# Altium PCB LXDsmall.PcbDoc
Units mil, origin at the board's own origin, x right, y up, seen from the top; angles counter-clockwise.
Board outline 7398.78 x 7612.56 mil, 2 copper layers (Top Layer, Bottom Layer); 71 components, 51 nets, 338 pads, 9 vias.
Unrouted connection lines stored in the file: 11.
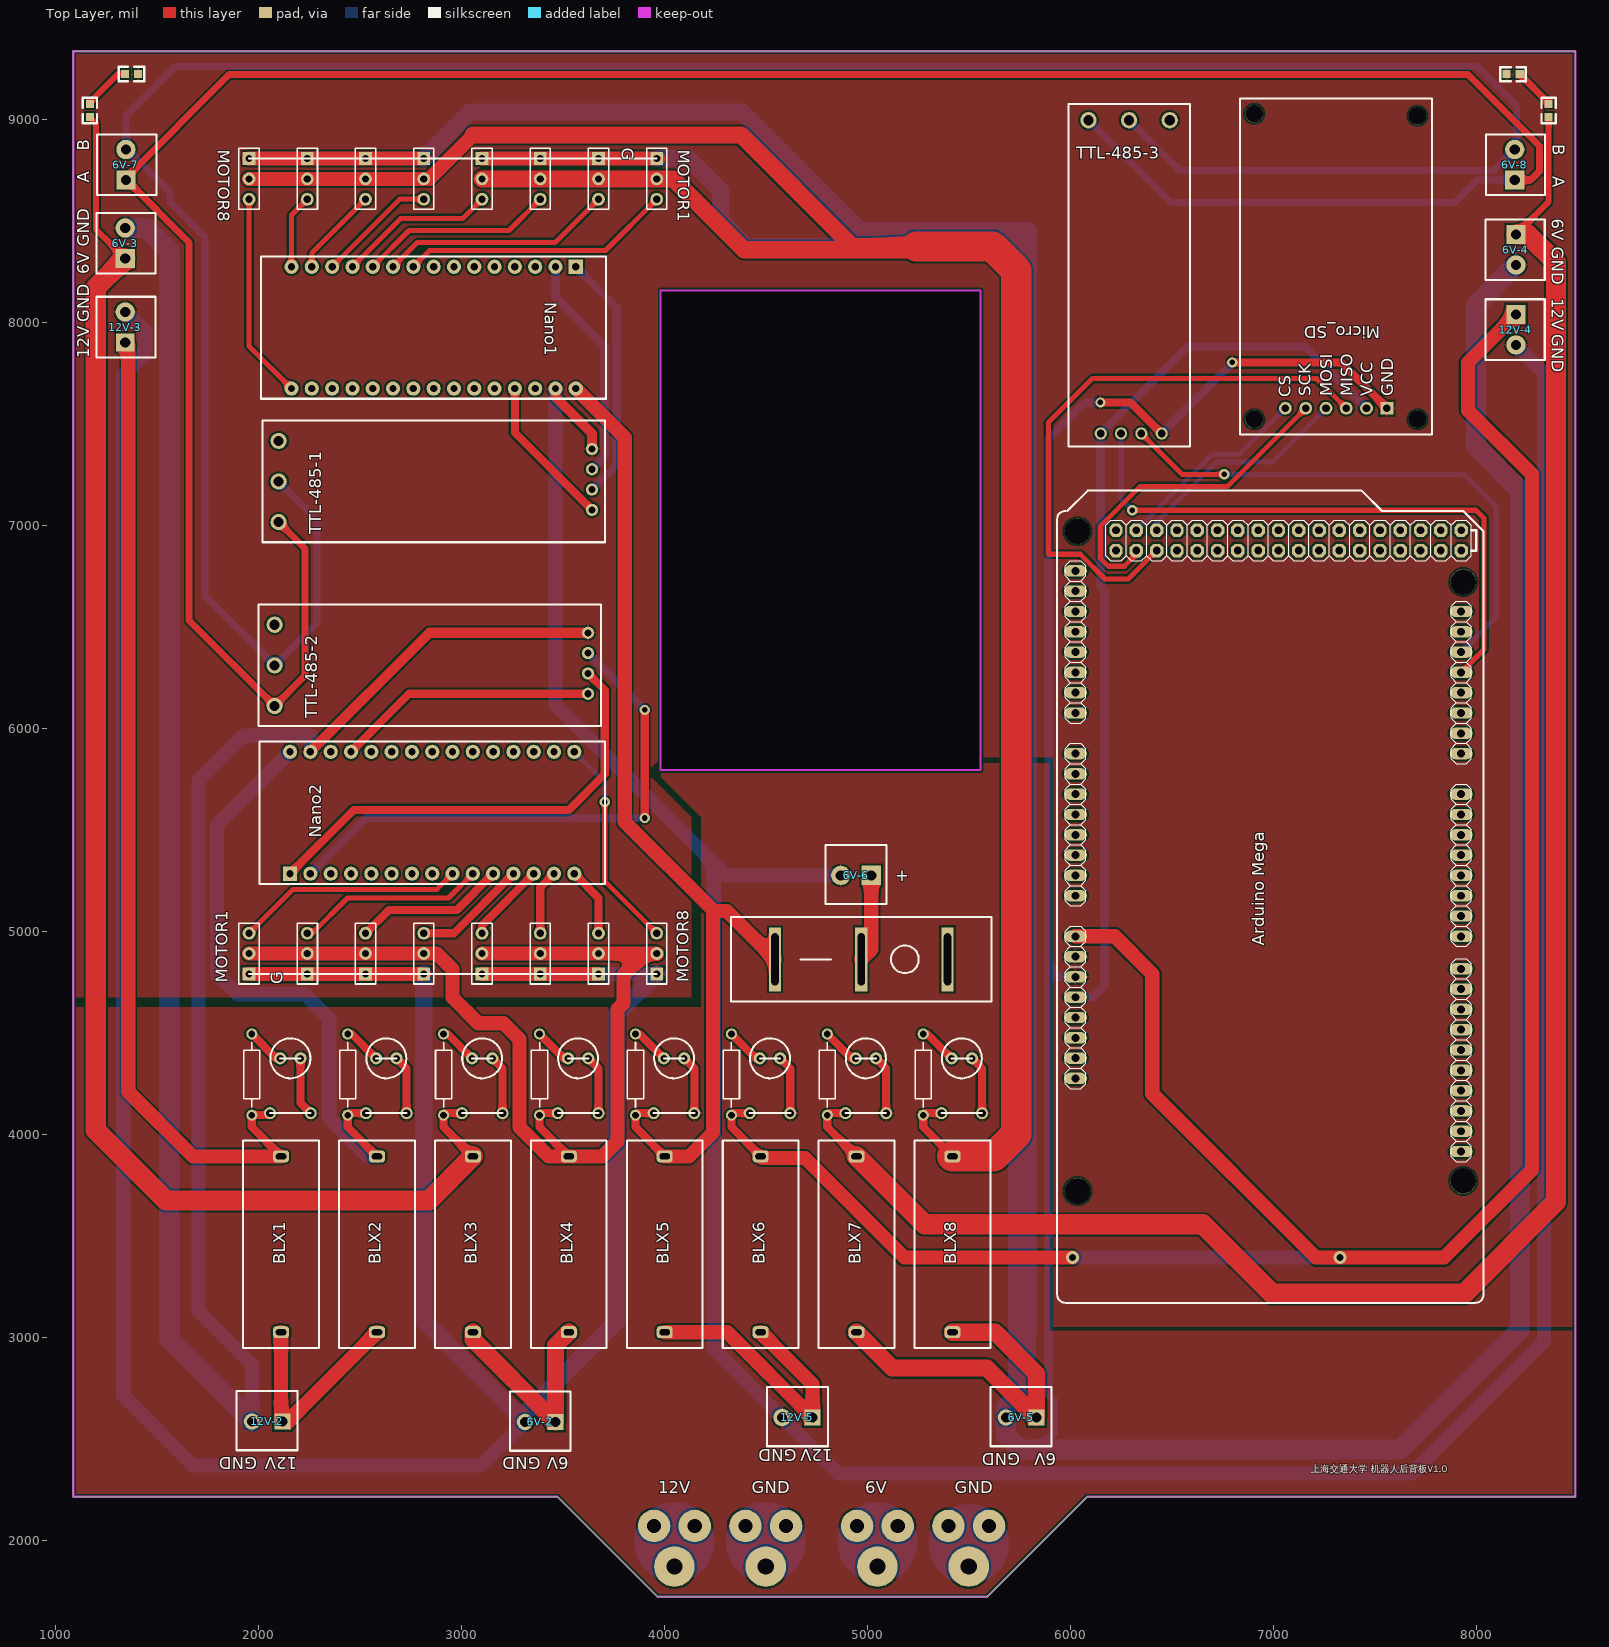
[diagram p0: Top Layer view]
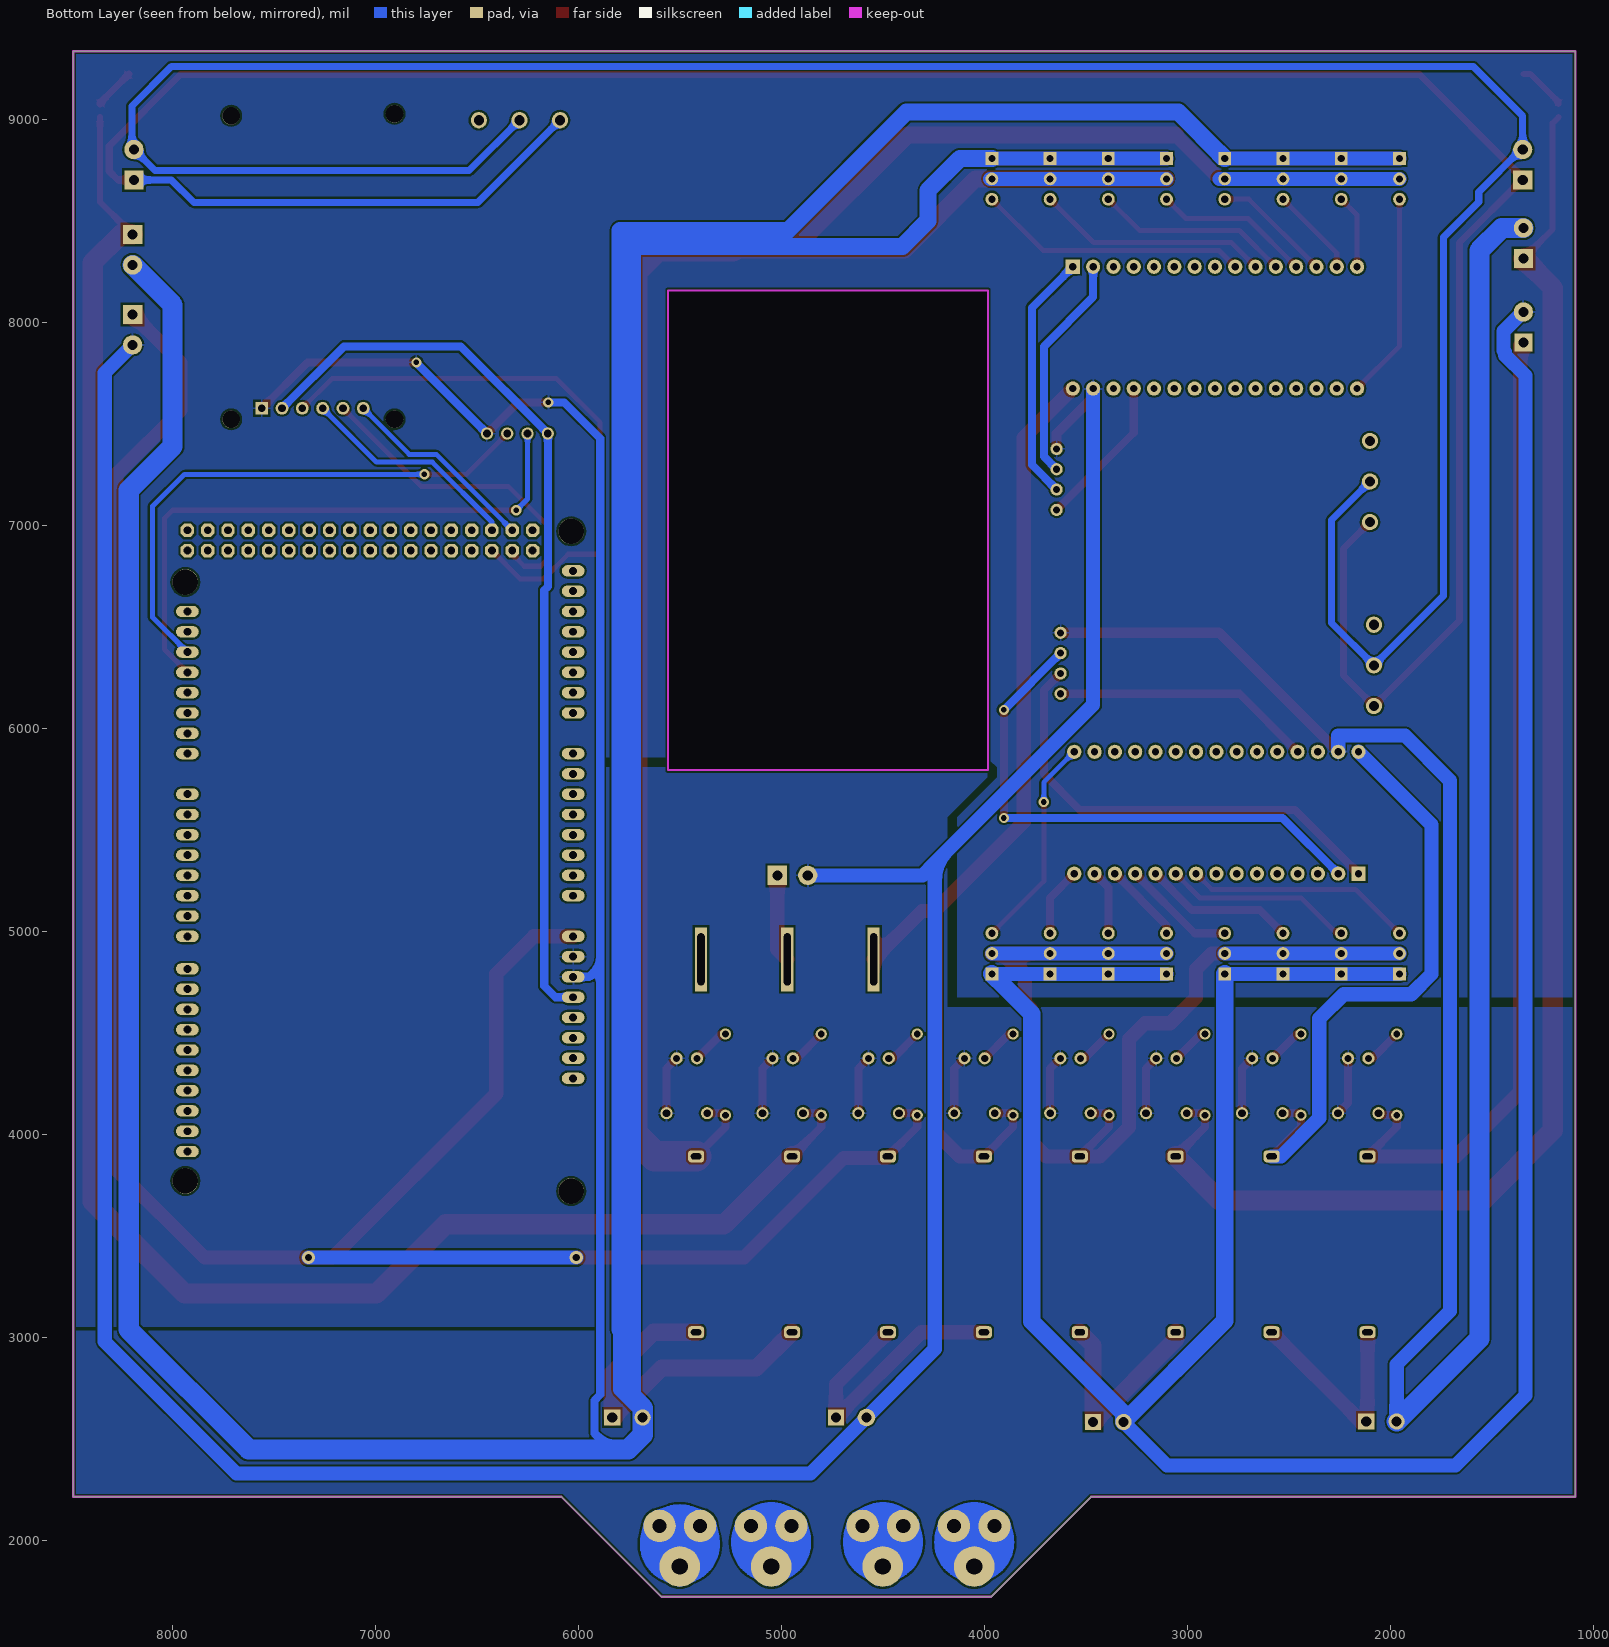
[diagram p1: Bottom Layer view, seen from below]

## Layer stack, top to bottom
Top Solder: solder mask 0.4, Solder Resist, Dk 3.5
Top Layer: signal copper 1.4
Dielectric 1: dielectric 12.6, FR-4, Dk 4.8
Bottom Layer: signal copper 1.4
Bottom Solder: solder mask 0.4, Solder Resist, Dk 3.5

## Board outline
1088.98,2215 3473.98,2215 3966.54,1722.44 5590.55,1722.44 6083.11,2215 8487.76,2215 8487.76,9335 1088.98,9335
cut-out: 3982.68,8156.69 3982.68,5794.49 5557.48,5794.49 5557.48,8156.69

## Design rules (kind name [scope] priority, off if disabled: settings)
Clearance [All] p1: gap=10
HoleSize [All] p1 off: absolutevalues=TRUE maxlimit=150 minlimit=1 maxpercent=80.000 minpercent=20.000
PolygonConnect [All] p1: connectstyle=Relief reliefconductorwidth=10 reliefentries=4 polygonreliefangle="90 Angle" airgapwidth=10
RoutingVias [All] p1: holewidth=28 width=50 viastyle="Through Hole" minholewidth=28 minwidth=50 maxholewidth=28 maxwidth=50
SilkToSilkClearance [All] p1 off: silktosilkclearance=10
SilkToSolderMaskClearance [IsPad] p1 off: minsilkscreentomaskgap=10 clearancetoexposedcopper=TRUE
SolderMaskExpansion [All] p1: expansion=4
Width [All] p1: maxlimit=150 minlimit=10 preferedwidth=10
27 further rules are at their usual default settings.

## Components (designator, comment, footprint, x,y, rotation, side; value= is the part's Value field where it differs from the comment)
6V-2 "Comment" "HEADER 1X2a"#1 3464.29,2583.39 r180 top
6V-3 "Comment" "HEADER 1X2a"#2 1344.88,8314.17 r90 top
6V-4 "Comment" "HEADER 1X2a"#2 8195.28,8432.28 r270 top
6V-5 "Comment" "HEADER 1X2a"#1 5833.07,2605.51 r180 top
6V-6 "Comment" "HEADER 1X2a"#2 5019.69,5275.59 r180 top
6V-7 "Comment" "HEADER 1X2a"#2 1348.43,8700.79 r90 top
6V-8 "Comment" "HEADER 1X2a"#2 8188.98,8700.79 r90 top
12V-2 "Comment" "HEADER 1X2a"#1 2119.21,2585.83 r180 top
12V-3 "Comment" "HEADER 1X2a"#3 1344.88,7900.79 r90 top
12V-4 "Comment" "HEADER 1X2a"#2 8195.28,8038.58 r270 top
12V-5 "Comment" "HEADER 1X2a"#4 4730.71,2605.51 r180 top
"Arduino Mega" "Comment" arduino_pin 7250.39,5105.51 r90 top
BLX1 "Comment" BLX-A 2112.6,3025.43 r90 top
BLX2 "Comment" BLX-A 2585.04,3025.43 r90 top
BLX3 "Comment" BLX-A 3057.48,3025.43 r90 top
BLX4 "Comment" BLX-A 3529.92,3025.43 r90 top
BLX5 "Comment" BLX-A 4002.36,3025.43 r90 top
BLX6 "Comment" BLX-A 4474.8,3025.43 r90 top
BLX7 "Comment" BLX-A 4947.24,3025.43 r90 top
BLX8 "Comment" BLX-A 5419.69,3025.43 r90 top
Micro_SD "Comment" Micro_SD 9435.43,10046.46 r90 top
MOTOR1 "Comment" HDR1X3 1955.12,4790.55 r90 top
MOTOR1 "Comment" HDR1X3 3962.99,8806.3 r270 top
MOTOR8 "Comment" HDR1X3 3962.99,4790.55 r90 top
MOTOR8 "Comment" HDR1X3 1955.12,8806.3 r270 top
Nano1 "Comment" NANO 3564.17,8273.35 r270 top
Nano2 "Comment" NANO 2157.09,5284.13 r90 top
TTL-485-1 "Comment" ttl-485#1 3707.09,6916.54 r180 top
TTL-485-2 "Comment" ttl-485#1 3687.4,6011.02 r180 top
TTL-485-3 "Comment" ttl-485#2 5990.55,7388.98 r90 top
? "Comment" HDR1X3 2241.96,4790.55 r90 top
? "Comment" HDR1X3 2528.8,4790.55 r90 top
? "Comment" HDR1X3 2815.64,4790.55 r90 top
? "Comment" HDR1X3 3102.47,4790.55 r90 top
? "Comment" HDR1X3 3389.31,4790.55 r90 top
? "Comment" HDR1X3 3676.15,4790.55 r90 top
? "Comment" HDR1X3 2241.96,8806.3 r270 top
? "Comment" HDR1X3 2528.8,8806.3 r270 top
? "Comment" HDR1X3 2815.64,8806.3 r270 top
? "Comment" HDR1X3 3102.47,8806.3 r270 top
? "Comment" HDR1X3 3389.31,8806.3 r270 top
? "Comment" HDR1X3 3676.15,8806.3 r270 top
? "Comment" LED_BLUE 2630.94,4374.49 r0 top
? "Comment" C_50V_10u 2530.94,4104.49 r0 top
? "Comment" AXIAL-0.4 2440.94,4294.49 r90 top
? "Comment" LED_BLUE 2158.5,4374.49 r0 top
? "Comment" C_50V_10u 2058.5,4104.49 r0 top
? "Comment" AXIAL-0.4 1968.5,4294.49 r90 top
? "Comment" LED_BLUE 3103.39,4374.49 r0 top
? "Comment" C_50V_10u 3003.39,4104.49 r0 top
? "Comment" AXIAL-0.4 2913.39,4294.49 r90 top
? "Comment" LED_BLUE 3575.83,4374.49 r0 top
? "Comment" C_50V_10u 3475.83,4104.49 r0 top
? "Comment" AXIAL-0.4 3385.83,4294.49 r90 top
? "Comment" LED_BLUE 4048.27,4374.49 r0 top
? "Comment" C_50V_10u 3948.27,4104.49 r0 top
? "Comment" AXIAL-0.4 3858.27,4294.49 r90 top
? "Comment" LED_BLUE 4520.71,4374.49 r0 top
? "Comment" C_50V_10u 4420.71,4104.49 r0 top
? "Comment" AXIAL-0.4 4330.71,4294.49 r90 top
? "Comment" LED_BLUE 4993.15,4374.49 r0 top
? "Comment" C_50V_10u 4893.15,4104.49 r0 top
? "Comment" AXIAL-0.4 4803.15,4294.49 r90 top
? "Comment" LED_BLUE 5465.59,4374.49 r0 top
? "Comment" C_50V_10u 5365.59,4104.49 r0 top
? "Comment" AXIAL-0.4 5275.59,4294.49 r90 top
? "Comment" switch 4970.47,4862.2 r0 top
? "Comment" 06030 1171.26,9015.75 r90 top
? "Comment" 06030 1348.43,9222.44 r0 top
? "Comment" 06030 8356.3,9015.75 r90 top
? "Comment" 06030 8208.66,9222.44 r180 top

## Footprints (in the part's own frame and the unit in brackets; to place one, negate y for a bottom-side part, rotate by r counter-clockwise, add the part's x,y. Pads: shape width x height; smd on the part's side, far side on the other; paste and mask are expansions set on the pad)
06030 [mil]
  rect 40x40 smd: 1(-5,0.21) 2(60,0.21)
  silkscreen extent -35,-35 90,35
arduino_pin [mil]
  round 126 hole 126: 1(-1385,1215) 1(-1335,-685) 1(1615,-685) 1(1865,1215)
  oval 56x112 hole 39: 1(-1190,-675) 1(-830,1225) 1(70,1225) 1(570,-675) 1(970,1225) 1(1470,-675) 2(-1090,-675) 2(-730,1225) 2(170,1225) 2(470,-675) 2(1070,1225) 2(1370,-675) 3(-990,-675) 3(-630,1225) 3(270,1225) 3(370,-675) 3(1170,1225) 3(1270,-675) 4(-890,-675) 4(-530,1225) 4(270,-675) 4(370,1225) 4(1170,-675) 4(1270,1225) 5(-790,-675) 5(-430,1225) 5(170,-675) 5(470,1225) 5(1070,-675) 5(1370,1225) 6(-690,-675) 6(-330,1225) 6(70,-675) 6(570,1225) 6(970,-675) 6(1470,1225) 7(-590,-675) 7(-230,1225) 7(-30,-675) 7(670,1225) 7(870,-675) 7(1570,1225) 8(-490,-675) 8(-130,1225) 8(-130,-675) 8(770,1225) 8(770,-675) 8(1670,1225) 9(-390,-675) 10(-290,-675)
  oct 66x66 hole 38: 1(1770,-675) 2(1870,-675) 3(1770,-575) 4(1870,-575) 5(1770,-475) 6(1870,-475) 7(1770,-375) 8(1870,-375) 9(1770,-275) 10(1870,-275) 11(1770,-175) 12(1870,-175) 13(1770,-75) 14(1870,-75) 15(1770,25) 16(1870,25) 17(1770,125) 18(1870,125) 19(1770,225) 20(1870,225) 21(1770,325) 22(1870,325) 23(1770,425) 24(1870,425) 25(1770,525) 26(1870,525) 27(1770,625) 28(1870,625) 29(1770,725) 30(1870,725) 31(1770,825) 32(1870,825) 33(1770,925) 34(1870,925) 35(1770,1025) 36(1870,1025)
  silkscreen extent -1935,-785 2065,1315
AXIAL-0.4 [mm] "Axial Device, Thru-Hole; 2 Leads; 0.4 in Pin Spacing"
  round 1.4 hole 0.85: 1(-5.08,0) 2(5.08,0)
  silkscreen extent -4.06,-1.02 4.06,1.02
BLX-A [mm]
  rrect50% 1.5x2 hole 0.762 slot 1.3 at 90 deg: 1(0,0) 2(22,0)
  silkscreen extent -2,-4.74 24,4.74
C_50V_10u [mil]
  round 60 hole 38: 1(0,0) 2(200,0)
  silkscreen extent 0,0 200,0
HDR1X3 [mm] "Connector; Header; 3 Position"
  rect 1.6x1.6 hole 0.9: 1(0,0)
  round 1.6 hole 0.9: 2(2.54,0) 3(5.08,0)
  silkscreen extent -1.27,-1.27 6.35,1.27
"HEADER 1X2a"#1 [mil]
  rect 80x80 hole 50: 1(0,0)
  round 80 hole 50: 2(150,0)
  silkscreen extent -75,-150 225,142
"HEADER 1X2a"#2 [mil]
  rect 95x95 hole 50 paste+0: 1(0,0)
  round 95 hole 50: 2(150,0)
  silkscreen extent -75,-150 225,142
"HEADER 1X2a"#3 [mil]
  rect 90x90 hole 50: 1(0,0)
  round 95 hole 50: 2(150,0)
  silkscreen extent -75,-150 225,142
"HEADER 1X2a"#4 [mil]
  rect 80x80 hole 50: 1(0,0)
  round 86.61 hole 50: 2(150,0)
  silkscreen extent -75,-150 225,142
LED_BLUE [mil]
  round 60 hole 35: 1(-50,0) 2(50,0)
  silkscreen extent -98,-98 98,98
Micro_SD [mm]
  rect 1.6x1.6 hole 0.965: 1(-62.738,47.65)
  round 1.6 hole 0.965: 2(-62.738,50.19) 3(-62.738,52.73) 4(-62.738,55.27) 5(-62.738,57.81) 6(-62.738,60.35)
  round 2.2 hole 2.2: 6(-64.135,43.815) 6(-64.135,64.262) 6(-26.162,43.815) 6(-25.908,64.262)
  silkscreen extent -66,42 -24,66
NANO [mil]
  rect 70x70 hole 36: 1(0,0)
  round 70 hole 36: 2(0,-100) 3(0,-200) 4(0,-300) 5(0,-400) 6(0,-500) 7(0,-600) 8(0,-700) 9(0,-800) 10(0,-900) 11(0,-1000) 12(0,-1100) 13(0,-1200) 14(0,-1300) 15(0,-1400) 16(600,-1400) 17(600,-1300) 18(600,-1200) 19(600,-1100) 20(600,-1000) 21(600,-900) 22(600,-800) 23(600,-700) 24(600,-600) 25(600,-500) 26(600,-400) 27(600,-300) 28(600,-200) 29(600,-100) 30(600,0)
  silkscreen extent -50,-1550 650,150
switch [mm]
  rect 1.524x8 hole 0.9 slot 6.5 at 90 deg: 1(-10.8,0) 2(0,0) 3(10.8,0)
  silkscreen extent -16.3,-5.3 16.3,5.3
ttl-485#1 [mil]
  round 80 hole 50: 1(1606.3,-99.21) 2(1606.3,-299.21) 3(1606.3,-499.21)
  round 60 hole 35: 4(62.99,-159.45) 5(62.99,-259.45) 6(62.99,-359.45) 7(62.99,-459.45)
  silkscreen extent 0,-599 1685,0
ttl-485#2 [mil]
  round 80 hole 50: 1(1606.3,-99.21) 2(1606.3,-299.21) 3(1606.3,-499.21)
  round 60 hole 38: 4(62.99,-159.45) 5(62.99,-259.45) 6(62.99,-359.45) 7(62.99,-459.45)
  silkscreen extent 0,-599 1685,0

## Free pads (board coordinates)
  round 160 hole 70: 2(3950,2071.26) 2(4150,2071.26) 2(4400,2071.26) 2(4600,2071.26) 2(4950,2071.26) 2(5150,2071.26) 2(5400,2071.26) 2(5600,2071.26)
  round 200 hole 80: 2(4050,1871.26) 2(4500,1871.26) 2(5050,1871.26) 2(5500,1871.26)

## Via types
v1: diameter 50, hole 28, Top Layer to Bottom Layer, 7 vias
v2: diameter 65, hole 35, Top Layer to Bottom Layer, 2 vias

## Nets (pads, with @x,y where several pads share a name; then routed paths per layer and width w, separated by ;. In a path a pad name is that pad's centre, name@x,y a point inside that pad or via, vN(x,y) a via of type N, cw(c..) or ccw(c..) an arc to the next point about the centre after c; other vN are vias at no path point)
3V3: 
6IN: pad.2@4950,2071.26 pad.2@5050,1871.26 pad.2@5150,2071.26 | length 1208.6
  Bottom Layer w10: 5242.35,1991.26 ccw(c5050,1991.26) 5242.35,1991.26
6ING: pad.2@5400,2071.26 pad.2@5500,1871.26 pad.2@5600,2071.26 | length 1208.6
  Bottom Layer w10: 5692.35,1981.26 ccw(c5500,1981.26) 5692.35,1981.26
12IN: pad.2@3950,2071.26 pad.2@4050,1871.26 pad.2@4150,2071.26 | length 1208.6
  Bottom Layer w10: 4242.35,1991.26 ccw(c4050,1991.26) 4242.35,1991.26
12ING: pad.2@4400,2071.26 pad.2@4500,1871.26 pad.2@4600,2071.26 | length 1208.6
  Bottom Layer w10: 4692.35,1991.26 ccw(c4500,1991.26) 4692.35,1991.26
50: "Arduino Mega.31" Micro_SD.3 | length 2909
  Top Layer w25: 6425.4,6875.51 6285.83,6735.94 6171.14,6735.94 6049.61,6857.48 5892.13,6857.48 5892.13,7507.09 6108.66,7723.62 7212.28,7723.62 Micro_SD.3
51: "Arduino Mega.32" Micro_SD.4 | length 1107.1
  Bottom Layer w25: 6425.4,6975.51 6425.4,7016.73 6719.53,7310.87 6993.86,7310.87 Micro_SD.4
52: "Arduino Mega.33" Micro_SD.5 | length 1645.7
  Top Layer w25: 6325.4,6875.51 6325.4,6857.68 6266.14,6798.43 6187.4,6798.43 6148.03,6837.8 6148.03,6995.28 6344.88,7192.13 6775.12,7192.13 Micro_SD.5
53: "Arduino Mega.34" Micro_SD.6@7059.45,7576.46 | length 983
  Bottom Layer w25: 6325.4,6975.51 6699.49,7349.61 6832.6,7349.61 Micro_SD.6@7059.45,7576.46
GND: 6V-2.2 6V-3.2 6V-4.2 6V-5.2 6V-6.2 12V-2.2 12V-3.2 12V-4.2 12V-5.2 "Arduino Mega.6"@6025.4,4775.51 "Arduino Mega.7"@6025.4,4875.51 ?.1@2241.96,4790.55 ?.1@2241.96,8806.3 ?.1@2528.8,4790.55 ?.1@2528.8,8806.3 ?.1@2815.64,4790.55 ?.1@2815.64,8806.3 ?.1@3102.47,4790.55 ?.1@3102.47,8806.3 ?.1@3389.31,4790.55 ?.1@3389.31,8806.3 ?.1@3676.15,4790.55 ?.1@3676.15,8806.3 ?.2@1408.42,9222.65 ?.2@2208.5,4374.49 ?.2@2258.5,4104.49 ?.2@2680.94,4374.49 ?.2@2730.94,4104.49 ?.2@3153.39,4374.49 ?.2@3203.39,4104.49 ?.2@3625.83,4374.49 ?.2@3675.83,4104.49 ?.2@4098.27,4374.49 ?.2@4148.27,4104.49 ?.2@4570.71,4374.49 ?.2@4620.71,4104.49 ?.2@5043.15,4374.49 ?.2@5093.15,4104.49 ?.2@5515.59,4374.49 ?.2@5565.59,4104.49 ?.2@8148.66,9222.23 Micro_SD.1 MOTOR1.1 MOTOR8.1 Nano1.29 Nano2.29 TTL-485-1.7 TTL-485-2.7 TTL-485-3.7 | length 81346.1
  Top Layer w40: ?.2@2208.5,4374.49 2208.5,4154.49 ?.2@2258.5,4104.49 ; ?.2@2680.94,4374.49 2730.94,4324.49 ?.2@2730.94,4104.49 ; ?.2@3153.39,4374.49 3203.39,4324.49 ?.2@3203.39,4104.49 ; ?.2@3625.83,4374.49 3675.83,4324.49 ?.2@3675.83,4104.49 ; ?.2@4098.27,4374.49 4148.27,4324.49 ?.2@4148.27,4104.49 ; ?.2@4570.71,4374.49 4620.71,4324.49 ?.2@4620.71,4104.49 ; ?.2@5043.15,4374.49 5093.15,4324.49 ?.2@5093.15,4104.49 ; ?.2@5515.59,4374.49 5565.59,4324.49 ?.2@5565.59,4104.49 ; v1(6148.03,7605.51) 6296.46,7605.51 TTL-485-3.7 ; v1(6797.64,7802.36) 7333.54,7802.36 Micro_SD.1
  Top Layer w50: Nano2.29 2843.43,6470.47 TTL-485-2.7 ; Nano1.29 3464.17,7631.89 3644.1,7451.97 TTL-485-1.7
  Top Layer w70: MOTOR1.1@1955.12,4790.55 2241.96,4790.55 2528.8,4790.55 ?.1@2815.64,4790.55 ; MOTOR8.1@1955.12,8806.3 2241.96,8806.3 2528.8,8806.3 ?.1@2815.64,8806.3 ; ?.1@3102.47,4790.55 3389.31,4790.55 ?.1@3676.15,4790.55 ; ?.1@3102.47,8806.3 3389.31,8806.3 3676.15,8806.3 3962.99,8806.3 MOTOR1.1@3971.17,8806.3
  Bottom Layer w40: 5840.55,2448.03 5920,2527.48 5920,2690 5892.13,2717.87 5892.13,4829.92 ; 6025.4,4775.51 5946.54,4775.51 5892.13,4829.92 ; v1(6148.03,7605.51) 6069.29,7605.51 5892.13,7428.35 5892.13,4829.92 ; TTL-485-3.7 v1@6797.64,7799.61
  Bottom Layer w70: 12V-3.2 1348.52,8050.79 1443.31,7956 1443.31,7861.42 1434.88,7852.99 1434.88,7837.15 1335.04,7737.31 1335.04,2713.78 1679.53,2369.29 3100.19,2369.29 6V-2.2 ; MOTOR1.1@1955.12,4790.55 2241.96,4790.55 2528.8,4790.55 ?.1@2815.64,4790.55 ; MOTOR8.1@1955.12,8806.3 2241.96,8806.3 2528.8,8806.3 ?.1@2815.64,8806.3 ; 12V-2.2 1969.21,2867.01 1705.91,3130.31 1705.91,5742.13 1928.74,5964.96 2257.09,5964.96 Nano2.29 ; ?.1@3102.47,4790.55 3389.31,4790.55 3676.15,4790.55 MOTOR8.1@3962.99,4790.55 ; ?.1@3102.47,8806.3 3389.31,8806.3 3676.15,8806.3 MOTOR1.1@3962.99,8806.3 ; Nano1.29 3464.17,6116.14 4243.9,5336.42 ; 6V-6.2 4304.73,5275.59 4243.9,5336.42 ; 5754.33,2703.94 5793.7,2743.31 5793.7,3038.58 ; 12V-4.2 8333.07,7750.79 8333.07,2979.53 7683.46,2329.92 4856.3,2329.92 12V-5.2 4243.9,2942.32 4243.9,5336.42
  Bottom Layer w85: ?.1@2815.64,4790.55 2815.64,3082.04 6V-2.2 3314.29,2626.1 3766.14,3077.95 3766.14,4593.7 MOTOR8.1@3962.99,4790.55 ; ?.1@2815.64,8806.3 3044.83,9035.49 4383.41,9035.49 4966.93,8451.97 5793.7,8451.97 5793.7,3038.58 ; MOTOR1.1@3962.99,8806.3 4120.47,8806.3 4277.95,8648.82 4277.95,8499.52 4404.24,8373.23 5734.65,8373.23 5734.65,2703.94
  Bottom Layer w100: 6V-3.2 1450.79,8464.17 1561.42,8353.54 1561.42,2993.62 12V-2.2 ; 5734.65,2703.94 5683.07,2652.36 6V-5.2 5683.07,2519.29 5754.33,2448.03 5840.55,2448.03 7624.41,2448.03 8214.96,3038.58 8214.96,7172.44 7998.43,7388.98 7998.43,8085.43 6V-4.2
LED1: ?.1@2108.5,4374.49 ?.2@1968.5,4494.49 | length 189.7
  Top Layer w40: ?.2@1968.5,4494.49 2088.5,4374.49 ?.1@2108.5,4374.49
LED2: ?.1@2580.94,4374.49 ?.2@2440.94,4494.49 | length 189.7
  Top Layer w40: ?.2@2440.94,4494.49 2460.94,4494.49 ?.1@2580.94,4374.49
LED3: ?.1@3053.39,4374.49 ?.2@2913.39,4494.49 | length 189.7
  Top Layer w40: ?.2@2913.39,4494.49 2933.39,4494.49 ?.1@3053.39,4374.49
LED4: ?.1@3525.83,4374.49 ?.2@3385.83,4494.49 | length 189.7
  Top Layer w40: ?.2@3385.83,4494.49 3505.83,4374.49 ?.1@3525.83,4374.49
LED5: ?.1@3998.27,4374.49 ?.2@3858.27,4494.49 | length 189.7
  Top Layer w40: ?.2@3858.27,4494.49 3878.27,4494.49 ?.1@3998.27,4374.49
LED6: ?.1@4470.71,4374.49 ?.2@4330.71,4494.49 | length 189.7
  Top Layer w40: ?.2@4330.71,4494.49 4450.71,4374.49 ?.1@4470.71,4374.49
LED7: ?.1@4943.15,4374.49 ?.2@4803.15,4494.49 | length 189.7
  Top Layer w40: ?.2@4803.15,4494.49 4923.15,4374.49 ?.1@4943.15,4374.49
LED8: ?.1@5415.59,4374.49 ?.2@5275.59,4494.49 | length 189.7
  Top Layer w40: ?.2@5275.59,4494.49 5295.59,4494.49 ?.1@5415.59,4374.49
LED+: ?.1@1343.42,9222.65 ?.1@8213.66,9222.23 ?.2@1171.05,9075.75 ?.2@8356.09,9075.75 | length 443.8
  Top Layer w30: ?.2@1171.05,9075.75 1171.05,9084.44 1309.27,9222.65 ?.1@1343.42,9222.65
  Top Layer w35: ?.1@8213.66,9222.23 8356.09,9079.8 ?.2@8356.09,9075.75
M1: MOTOR1.3@1955.12,4990.55 Nano2.9 | length 1123.6
  Top Layer w25: MOTOR1.3@1955.12,4990.55 2171.65,5207.09 2880.04,5207.09 Nano2.9
M1U: MOTOR1.3@3962.99,8606.3 Nano1.9 | length 1336.7
  Top Layer w25: Nano1.9 2844.37,8353.54 3710.24,8353.54 MOTOR1.3@3962.99,8606.3
M2: ?.3@2241.96,4990.55 Nano2.10 | length 936.7
  Top Layer w25: ?.3@2241.96,4990.55 2265.71,4990.55 2439.72,5164.57 2937.52,5164.57 Nano2.10
M2U: ?.3@3676.15,8606.3 Nano1.10 | length 1149.9
  Top Layer w25: Nano1.10 2783.74,8392.91 3462.77,8392.91 ?.3@3676.15,8606.3
M3: ?.3@2528.8,4990.55 Nano2.11 | length 749.9
  Top Layer w40: ?.3@2528.8,4990.55 2643.76,5105.51 2978.47,5105.51 Nano2.11
M3U: ?.3@3389.31,8606.3 Nano1.11 | length 963.1
  Top Layer w25: Nano1.11 2742.79,8451.97 3234.98,8451.97 ?.3@3389.31,8606.3
M4: ?.3@2815.64,4990.55 Nano2.12 | length 563.1
  Top Layer w40: ?.3@2815.64,4990.55 2963.51,4990.55 Nano2.12
M4U: ?.3@3102.47,8606.3 Nano1.12 | length 776.2
  Top Layer w25: Nano1.12 2701.85,8511.02 3007.2,8511.02 ?.3@3102.47,8606.3
M5: ?.3@3102.47,4990.55 Nano2.13 | length 399
  Top Layer w40: ?.3@3102.47,4990.55 3102.47,5029.52 Nano2.13
M5U: ?.3@2815.64,8606.3 Nano1.13 | length 589.4
  Top Layer w25: Nano1.13 2697.12,8606.3 ?.3@2815.64,8606.3
M6: ?.3@3389.31,4990.55 Nano2.14 | length 321.7
  Top Layer w40: ?.3@3389.31,4990.55 3389.31,5216.36 Nano2.14
M6U: ?.3@2528.8,8606.3 Nano1.14 | length 442.6
  Top Layer w25: Nano1.14 2264.17,8341.67 ?.3@2528.8,8606.3
M7: ?.3@3676.15,4990.55 Nano2.15 | length 342.9
  Top Layer w40: Nano2.15 3676.15,5165.07 ?.3@3676.15,4990.55
M7U: ?.3@2241.96,8606.3 Nano1.15 | length 365.2
  Top Layer w25: Nano1.15 2164.17,8528.51 ?.3@2241.96,8606.3
M8: MOTOR8.3@3962.99,4990.55 Nano2.16 | length 1061.7
  Top Layer w25: v1(3707.09,5637.01) 3707.09,5246.46 MOTOR8.3@3962.99,4990.55
  Bottom Layer w25: Nano2.16 3707.09,5734.14 v1(3707.09,5637.01)
M8U: MOTOR8.3@1955.12,8606.3 Nano1.16 | length 1019.5
  Top Layer w25: MOTOR8.3@1955.12,8606.3 1955.12,7882.4 Nano1.16
NewNet1: 6V-7.1 6V-8.1 TTL-485-1.1 TTL-485-2.1 TTL-485-3.1 | length 13821.3
  Top Layer w35: TTL-485-1.1 2230.71,6885.83 2230.71,6259.84 TTL-485-2.1 1659.84,6531.5 1659.84,8392.91 1348.42,8704.33 1348.42,8711.41 1856.69,9219.68 7959.05,9219.68 8310.63,8868.11 8310.63,8743.7 8267.72,8700.79 6V-8.1
  Bottom Layer w35: TTL-485-3.1 6495.28,8589.76 7893.7,8589.76 8004.73,8700.79 6V-8.1
NewNet2: 6V-7.2 6V-8.2 TTL-485-1.2 TTL-485-2.2 TTL-485-3.2 | length 13384
  Bottom Layer w35: TTL-485-1.2 2289.76,7026.77 2289.76,6518.9 TTL-485-2.2 1738.58,6652.76 1738.58,8418.9 1564.96,8592.52 1564.96,8641.73 1355.9,8850.79 6V-7.2 1348.42,9015.75 1591.73,9259.06 8004.72,9259.06 8198.82,9064.96 8198.82,8850.79 6V-8.2 8085.43,8747.24 6537.8,8747.24 TTL-485-3.2
NewNet3: 
RX: Nano2.2 TTL-485-2.6 | length 2688.4
  Top Layer w40: v1(3903.94,5558.27) v1(3903.94,6090.95)
  Bottom Layer w40: Nano2.2 2531.22,5558.27 v1(3903.94,5558.27) ; TTL-485-2.6 v1(3903.94,6090.95)
RX1: "Arduino Mega.3"@7925.4,6375.51 TTL-485-3.6 | length 2684.5
  Top Layer w25: TTL-485-3.6 6550.79,7251.18 v1(6758.27,7251.18)
  Bottom Layer w25: v1(6758.27,7251.18) 7939.37,7251.18 8096.85,7093.7 8096.85,6546.97 7925.4,6375.51
RXU: Nano1.2 TTL-485-1.6 | length 1124.1
  Bottom Layer w40: Nano1.2 3464.17,8124.02 3707.09,7881.1 3707.09,7338.98 TTL-485-1.6
TX: Nano2.1 TTL-485-2.5 | length 2283.2
  Top Layer w40: Nano2.1 2470.59,5597.64 3529.92,5597.64 3707.09,5774.8 3707.09,6187.8 TTL-485-2.5
TX1: "Arduino Mega.4"@7925.4,6275.51 TTL-485-3.5 | length 2955.2
  Top Layer w25: v1(6305.51,7074.02) 7998.43,7074.02 8037.8,7034.65 8037.8,6387.91 7925.4,6275.51
  Bottom Layer w25: TTL-485-3.5 6250,7129.53 v1(6305.51,7074.02)
TXU: Nano1.1 TTL-485-1.5 | length 1231.6
  Bottom Layer w40: Nano1.1 3766.14,8071.38 3766.14,7298.03 TTL-485-1.5
V5: Nano2.27 TTL-485-2.4 | length 1285.9
  Top Layer w40: Nano2.27 2743.43,6170.47 TTL-485-2.4
V5M: "Arduino Mega.5"@6025.4,4675.51 Micro_SD.2 TTL-485-3.4 | length 4506.7
  Bottom Layer w40: 6025.4,4675.51 6111.73,4675.51 6167.72,4731.5 6167.72,6680.31 6150,6698.03 TTL-485-3.4 6579.14,7881.1 7154.8,7881.1 Micro_SD.2
V5U: Nano1.27 TTL-485-1.4 | length 754.7
  Top Layer w40: Nano1.27 3264.17,7455.91 TTL-485-1.4
V6: 6V-2.1 6V-3.1 6V-4.1 6V-5.1 ?.1@1171.05,9010.75 ?.1@2913.39,4094.49 ?.1@3003.39,4104.49 ?.1@3385.83,4094.49 ?.1@3475.83,4104.49 ?.1@4803.15,4094.49 ?.1@4893.15,4104.49 ?.1@5275.59,4094.49 ?.1@5365.59,4104.49 ?.1@8356.09,9010.75 ?.2@2241.96,4890.55 ?.2@2241.96,8706.3 ?.2@2528.8,4890.55 ?.2@2528.8,8706.3 ?.2@2815.64,4890.55 ?.2@2815.64,8706.3 ?.2@3102.47,4890.55 ?.2@3102.47,8706.3 ?.2@3389.31,4890.55 ?.2@3389.31,8706.3 ?.2@3676.15,4890.55 ?.2@3676.15,8706.3 BLX3.1 BLX3.2 BLX4.1 BLX4.2 BLX7.1 BLX7.2 BLX8.1 BLX8.2 MOTOR1.2 MOTOR8.2 | length 39870.8
  Top Layer w30: ?.1@1171.05,9010.75 1200.79,8981.01 1200.79,8458.27 6V-3.1 ; 6V-4.1 8356.09,8593.1 ?.1@8356.09,9010.75
  Top Layer w40: ?.1@3003.39,4104.49 2923.39,4104.49 2913.39,4094.49 2913.39,4035.67 BLX3.2 ; ?.1@3475.83,4104.49 3395.83,4104.49 3385.83,4094.49 3385.83,4035.67 BLX4.2 ; ?.1@4893.15,4104.49 4813.15,4104.49 4803.15,4094.49 4803.15,4035.67 BLX7.2 ; ?.1@5365.59,4104.49 5285.59,4104.49 5275.59,4094.49 5275.59,4035.67 BLX8.2
  Top Layer w70: MOTOR1.2@1955.12,4890.55 2241.96,4890.55 2528.8,4890.55 2815.64,4890.55 2879.92,4890.55 2957.48,4812.99 2957.48,4674.02 3084.25,4547.24 3208.66,4547.24 3287.4,4468.5 3287.4,4035.43 3431.26,3891.58 BLX4.2 3694.72,3891.58 3769.68,3966.54 3769.68,4616.14 3799.21,4645.67 3799.21,4783.46 3906.3,4890.55 ; MOTOR8.2@1955.12,8706.3 2241.96,8706.3 2528.8,8706.3 ?.2@2815.64,8706.3 ; ?.2@2842.27,8706.3 3058.93,8922.96 ; ?.2@3102.47,4890.55 3389.31,4890.55 3676.15,4890.55 3906.3,4890.55 ; MOTOR8.2@3964.57,4888.98 3962.99,4890.55 3906.3,4890.55 ; 4392.76,8356.85 4396.06,8356.85 ; 5226.14,8356.85 5242.52,8373.23
  Top Layer w85: BLX3.1 3057.48,2990.2 6V-2.1 3464.29,2959.8 BLX4.1 ; 3058.93,8922.96 4377.83,8922.96 4927.56,8373.23 5242.52,8373.23 ; ?.2@3102.47,8706.3 3389.31,8706.3 3676.15,8706.3 3962.99,8706.3 4043.31,8706.3 4392.76,8356.85 ; 4396.06,8356.85 5226.14,8356.85 ; BLX7.1 5123.39,2849.29 5589.29,2849.29 6V-5.1 5833.07,2822.05 5629.69,3025.43 BLX8.1
  Top Layer w100: 6V-3.1 1200,8169.29 1200,4020 1545.91,3674.09 2840,3674.09 BLX3.2 ; BLX7.2 5282.13,3556.69 6653.54,3556.69 6994.49,3215.75 7939.37,3215.75 8392.13,3668.5 8392.13,8294.49 8254.33,8432.28 6V-4.1
  Top Layer w150: 5242.52,8373.23 5616.54,8373.23 5734.65,8255.12 5734.65,4002.36 5623.86,3891.58 BLX8.2
  Bottom Layer w70: MOTOR1.2@1955.12,4890.55 2241.96,4890.55 2528.8,4890.55 ?.2@2815.64,4890.55 ; MOTOR8.2@1955.12,8706.3 2241.96,8706.3 2528.8,8706.3 2815.64,8706.3 ?.2@2842.27,8706.3 ; ?.2@3102.47,4890.55 3389.31,4890.55 3676.15,4890.55 MOTOR8.2@3962.99,4890.55 ; ?.2@3102.47,8706.3 3389.31,8706.3 3676.15,8706.3 3962.99,8706.3 MOTOR1.2@3971.17,8706.3
V12: 12V-2.1 12V-3.1 12V-4.1 12V-5.1 "Arduino Mega.8"@6025.4,4975.51 ?.1@1968.5,4094.49 ?.1@2058.5,4104.49 ?.1@2440.94,4094.49 ?.1@2530.94,4104.49 ?.1@3858.27,4094.49 ?.1@3948.27,4104.49 ?.1@4330.71,4094.49 ?.1@4420.71,4104.49 ?.1@4545.28,4862.2 BLX1.1 BLX1.2 BLX2.1 BLX2.2 BLX5.1 BLX5.2 BLX6.1 BLX6.2 Nano1.30 Nano2.30 | length 26780.1
  Top Layer w40: ?.1@2058.5,4104.49 2048.5,4094.49 1968.5,4094.49 1968.5,4035.67 BLX1.2 ; ?.1@2530.94,4104.49 2450.94,4104.49 2440.94,4094.49 2440.94,4035.67 BLX2.2 ; ?.1@3948.27,4104.49 3868.27,4104.49 3858.27,4094.49 3858.27,4035.67 BLX5.2 ; ?.1@4420.71,4104.49 4340.71,4104.49 4330.71,4094.49 4330.71,4035.67 BLX6.2
  Top Layer w70: 12V-3.1 1360,7885.67 1360,4210 1678.42,3891.58 BLX1.2 ; BLX1.1 2112.6,2592.44 12V-2.1 2145.43,2585.83 BLX2.1 ; Nano1.30 3805.51,7432.01 3805.51,5538.58 4242.13,5101.97 ; BLX5.1 4310.78,3025.43 12V-5.1 4730.71,2769.53 BLX6.1 ; BLX5.2 4121.58,3891.58 4239.84,4009.84 4239.84,5099.69 4307.8,5099.69 ?.1@4545.28,4862.2 ; BLX6.2 4483.19,3883.19 4693.19,3883.19 5183.46,3392.91 v2(6010.24,3392.91) ; 6025.4,4975.51 6218.98,4975.51 6403.94,4790.55 6403.94,4200 7211.02,3392.91 v2(7329.13,3392.91) 7840.94,3392.91 8274.02,3825.98 8274.02,7251.18 7959.06,7566.14 7959.06,7802.36 12V-4.1
  Bottom Layer w70: Nano2.30 1797.64,5524.68 1797.64,4790 1897.64,4690 2230,4690 2350,4570 2350,4080 2538.42,3891.58 BLX2.2 ; v2(6010.24,3392.91) v2(7329.13,3392.91)
V12H: 6V-6.1 ?.2@4970.47,4862.2 | length 433.8
  Top Layer w70: ?.2@4970.47,4862.2 5019.68,4911.42 6V-6.1
V12M: 
pads on no net: "Arduino Mega.1" "Arduino Mega.2" "Arduino Mega.3"@6025.4,4475.51 "Arduino Mega.3"@6025.4,5375.51 "Arduino Mega.3"@6025.4,6275.51 "Arduino Mega.3"@7825.4,6875.51 "Arduino Mega.3"@7925.4,4115.51 "Arduino Mega.3"@7925.4,5475.51 "Arduino Mega.4"@6025.4,4575.51 "Arduino Mega.4"@6025.4,5475.51 "Arduino Mega.4"@6025.4,6375.51 "Arduino Mega.4"@7825.4,6975.51 "Arduino Mega.4"@7925.4,4215.51 "Arduino Mega.4"@7925.4,5375.51 "Arduino Mega.5"@6025.4,5575.51 "Arduino Mega.5"@6025.4,6475.51 "Arduino Mega.5"@7725.4,6875.51 "Arduino Mega.5"@7925.4,4315.51 "Arduino Mega.5"@7925.4,5275.51 "Arduino Mega.5"@7925.4,6175.51 "Arduino Mega.6"@6025.4,5675.51 "Arduino Mega.6"@6025.4,6575.51 "Arduino Mega.6"@7725.4,6975.51 "Arduino Mega.6"@7925.4,4415.51 "Arduino Mega.6"@7925.4,5175.51 "Arduino Mega.6"@7925.4,6075.51 "Arduino Mega.7"@6025.4,5775.51 "Arduino Mega.7"@6025.4,6675.51 "Arduino Mega.7"@7625.4,6875.51 "Arduino Mega.7"@7925.4,4515.51 "Arduino Mega.7"@7925.4,5075.51 "Arduino Mega.7"@7925.4,5975.51 "Arduino Mega.8"@6025.4,5875.51 "Arduino Mega.8"@6025.4,6775.51 "Arduino Mega.8"@7625.4,6975.51 "Arduino Mega.8"@7925.4,4615.51 "Arduino Mega.8"@7925.4,4975.51 "Arduino Mega.8"@7925.4,5875.51 "Arduino Mega.9" "Arduino Mega.10" "Arduino Mega.11" "Arduino Mega.12" "Arduino Mega.13" "Arduino Mega.14" "Arduino Mega.15" "Arduino Mega.16" "Arduino Mega.17" "Arduino Mega.18" "Arduino Mega.19" "Arduino Mega.20" "Arduino Mega.21" "Arduino Mega.22" "Arduino Mega.23" "Arduino Mega.24" "Arduino Mega.25" "Arduino Mega.26" "Arduino Mega.27" "Arduino Mega.28" "Arduino Mega.29" "Arduino Mega.30" "Arduino Mega.35" "Arduino Mega.36" ?.3@5395.67,4862.2 Micro_SD.6@6905.43,7521.46 Micro_SD.6@6905.43,9026.46 Micro_SD.6@7710.43,7521.46 Micro_SD.6@7710.43,9016.46 Nano1.3 Nano1.4 Nano1.5 Nano1.6 Nano1.7 Nano1.8 Nano1.17 Nano1.18 Nano1.19 Nano1.20 Nano1.21 Nano1.22 Nano1.23 Nano1.24 Nano1.25 Nano1.26 Nano1.28 Nano2.3 Nano2.4 Nano2.5 Nano2.6 Nano2.7 Nano2.8 Nano2.17 Nano2.18 Nano2.19 Nano2.20 Nano2.21 Nano2.22 Nano2.23 Nano2.24 Nano2.25 Nano2.26 Nano2.28 TTL-485-1.3 TTL-485-2.3 TTL-485-3.3

## Polygon pours and split planes (outlines as drawn)
GND on Top Layer "Top Layer-SIGNAL" (solid, pour order 34): 3937.01,5807.09 3937.01,5757.87 4133.86,5561.02 4133.86,4675.2 1088.98,4675.2 1088.98,9335 8487.76,9335 8487.76,3051.18 5915.35,3051.18 5915.35,5856.3 5557.48,5856.3 5557.48,8156.69 3982.68,8156.69 3982.68,5856.3 3982.68,5852.76 3937.01,5807.09
GND on Top Layer "Top Layer-POWER" (solid, pour order 56): 3982.68,5794.49 3986.22,5790.95 3986.22,5757.87 4183.07,5561.02 4183.07,4625.98 1088.98,4625.98 1088.98,2215 3473.98,2215 3956.69,1732.28 3966.54,1732.28 3966.54,1722.44 5590.55,1722.44 6083.11,2215 8487.76,2215 8487.76,3031.5 5895.67,3031.5 5895.67,5826.77 5557.48,5826.77 5557.48,5807.09 5557.48,5794.49 3982.68,5794.49
GND on Bottom Layer "Top Layer-SIGNAL" (solid, pour order 46): 3982.68,5856.3 3982.68,5852.76 3937.01,5807.09 3937.01,5757.87 4133.86,5561.02 4133.86,4675.2 1088.98,4675.2 1088.98,9335 8487.76,9335 8487.76,3051.18 5915.35,3051.18 5915.35,5856.3 5557.48,5856.3 5557.48,8156.69 3989.76,8156.69 3982.68,8149.61 3982.68,5856.3
GND on Bottom Layer "Top Layer-POWER" (solid, pour order 54): 3982.68,5794.49 3986.22,5790.95 3986.22,5757.87 4183.07,5561.02 4183.07,4625.98 1088.98,4625.98 1088.98,2215 3473.98,2215 3966.54,1722.44 5590.55,1722.44 6083.11,2215 8487.76,2215 8487.76,3031.5 5892.13,3031.5 5885.83,3037.8 5885.83,5807.09 5557.48,5807.09 5557.48,5797.24 3985.43,5797.24 3982.68,5794.49

## Keep-outs
Keep-Out Layer:
  lines w10: 1088.98,9335 8487.76,9335 ; 1088.98,9335 1088.98,2215 3473.98,2215 3966.54,1722.44 5590.55,1722.44 6083.11,2215 8487.76,2215 8487.76,9335 ; 1088.98,9335 8487.76,9335 ; 3982.68,5794.49 3982.68,8156.69 5557.48,8156.69 5557.48,5794.49 3982.68,5794.49

## Other copper
Bottom Layer:
  region net 12IN: 3857.65,1991.26 ccw(c4050,1991.26) 4050,1798.91 ccw(c4050,1991.26) 4242.35,1991.26 ccw(c4050,1991.26) 4050,2183.61 ccw(c4050,1991.26)
  region net 12ING: 4307.65,1991.26 ccw(c4500,1991.26) 4500,1798.91 ccw(c4500,1991.26) 4692.35,1991.26 ccw(c4500,1991.26) 4500,2183.61 ccw(c4500,1991.26)
  region net 6IN: 4857.65,1991.26 ccw(c5050,1991.26) 5050,1798.91 ccw(c5050,1991.26) 5242.35,1991.26 ccw(c5050,1991.26) 5050,2183.61 ccw(c5050,1991.26)
  region net 6ING: 5307.65,1981.26 ccw(c5500,1981.26) 5500,1788.91 ccw(c5500,1981.26) 5692.35,1981.26 ccw(c5500,1981.26) 5500,2173.61 ccw(c5500,1981.26)

## Silkscreen, mask and mechanical layers (free items; w line width, h text height)
Top Overlay:
  lines w10: 1955.12,4790.55 3962.99,4790.55 ; 1955.12,8806.3 3962.99,8806.3
  text "B" at 8375.98,8877.95 h60 r270
  text "G" at 3790,8860 h60 r270
  text "B" at 1167.72,8845.67 h60 r90
  text "A" at 8375.98,8720.47 h60 r270
  text "A" at 1167.72,8688.19 h60 r90
  text "6V" at 8372.44,8511.02 h60 r270
  text "GND" at 1167.72,8373.23 h60 r90
  text "GND" at 8372.44,8373.23 h60 r270
  text "6V" at 1167.72,8235.43 h60 r90
  text "12V" at 8372.44,8117.32 h60 r270
  text "GND" at 1167.72,7999.21 h60 r90
  text "GND" at 8372.44,7940.16 h60 r270
  text "12V" at 1167.72,7822.05 h60 r90
  text "+" at 5137.8,5246.06 h60
  text "G" at 2120,4740 h60 r90
  text "GND" at 4651.97,2448.03 h60 r180
  text "12V" at 4829.13,2448.03 h60 r180
  text "GND" at 5754.33,2428.35 h60 r180
  text "6V" at 5931.5,2428.35 h60 r180
  text "GND" at 1994.49,2408.66 h60 r180
  text "12V" at 2191.34,2408.66 h60 r180
  text "GND" at 3392.13,2408.66 h60 r180
  text "6V" at 3529.92,2408.66 h60 r180
  text "上海交通大学 机器人后背板V1.0" at 7185.04,2322.83 h60
  text "12V" at 3970,2231.26 h60
  text "GND" at 4430,2231.26 h60
  text "6V" at 4990,2231.26 h60
  text "GND" at 5430,2231.26 h60
Bottom Solder:
  circle w10: c4050,1991.26 r201.25
  circle w10: c4500,1991.26 r201.25
  circle w10: c5050,1991.26 r201.25
  circle w10: c5500,1981.26 r201.25
  region: 3848.75,1991.26 ccw(c4050,1991.26) 4050,1790.01 ccw(c4050,1991.26) 4251.25,1991.26 ccw(c4050,1991.26) 4050,2192.51 ccw(c4050,1991.26)
  region: 4298.75,1991.26 ccw(c4500,1991.26) 4500,1790.01 ccw(c4500,1991.26) 4701.25,1991.26 ccw(c4500,1991.26) 4500,2192.51 ccw(c4500,1991.26)
  region: 4848.75,1991.26 ccw(c5050,1991.26) 5050,1790.01 ccw(c5050,1991.26) 5251.25,1991.26 ccw(c5050,1991.26) 5050,2192.51 ccw(c5050,1991.26)
  region: 5298.75,1981.26 ccw(c5500,1981.26) 5500,1780.01 ccw(c5500,1981.26) 5701.25,1981.26 ccw(c5500,1981.26) 5500,2182.51 ccw(c5500,1981.26)
  lines w70: 1955.12,4790.55 2241.96,4790.55 2528.8,4790.55 2815.64,4790.55 ; 1955.12,4890.55 2815.64,4890.55 ; 1955.12,8706.3 2815.64,8706.3 ; 1955.12,8806.3 2815.64,8806.3 ; 3102.47,4790.55 3962.99,4790.55 ; 3102.47,4890.55 3962.99,4890.55 ; 3102.47,8706.3 3962.99,8706.3 ; 3102.47,8806.3 3962.99,8806.3

## Text inside footprints (layer, text, board x,y; h text height)
Micro_SD: Top Overlay "CS" at 7085.43,7631.46 h60 r90; Top Overlay "SCK" at 7185.43,7636.46 h60 r90; Top Overlay "MOSI" at 7290.43,7636.46 h60 r90; Top Overlay "MISO" at 7390.43,7636.46 h60 r90; Top Overlay "VCC" at 7490.43,7636.46 h60 r90; Top Overlay "GND" at 7590.43,7636.46 h60 r90